# KiCad board B-Sides 2025.kicad_pcb
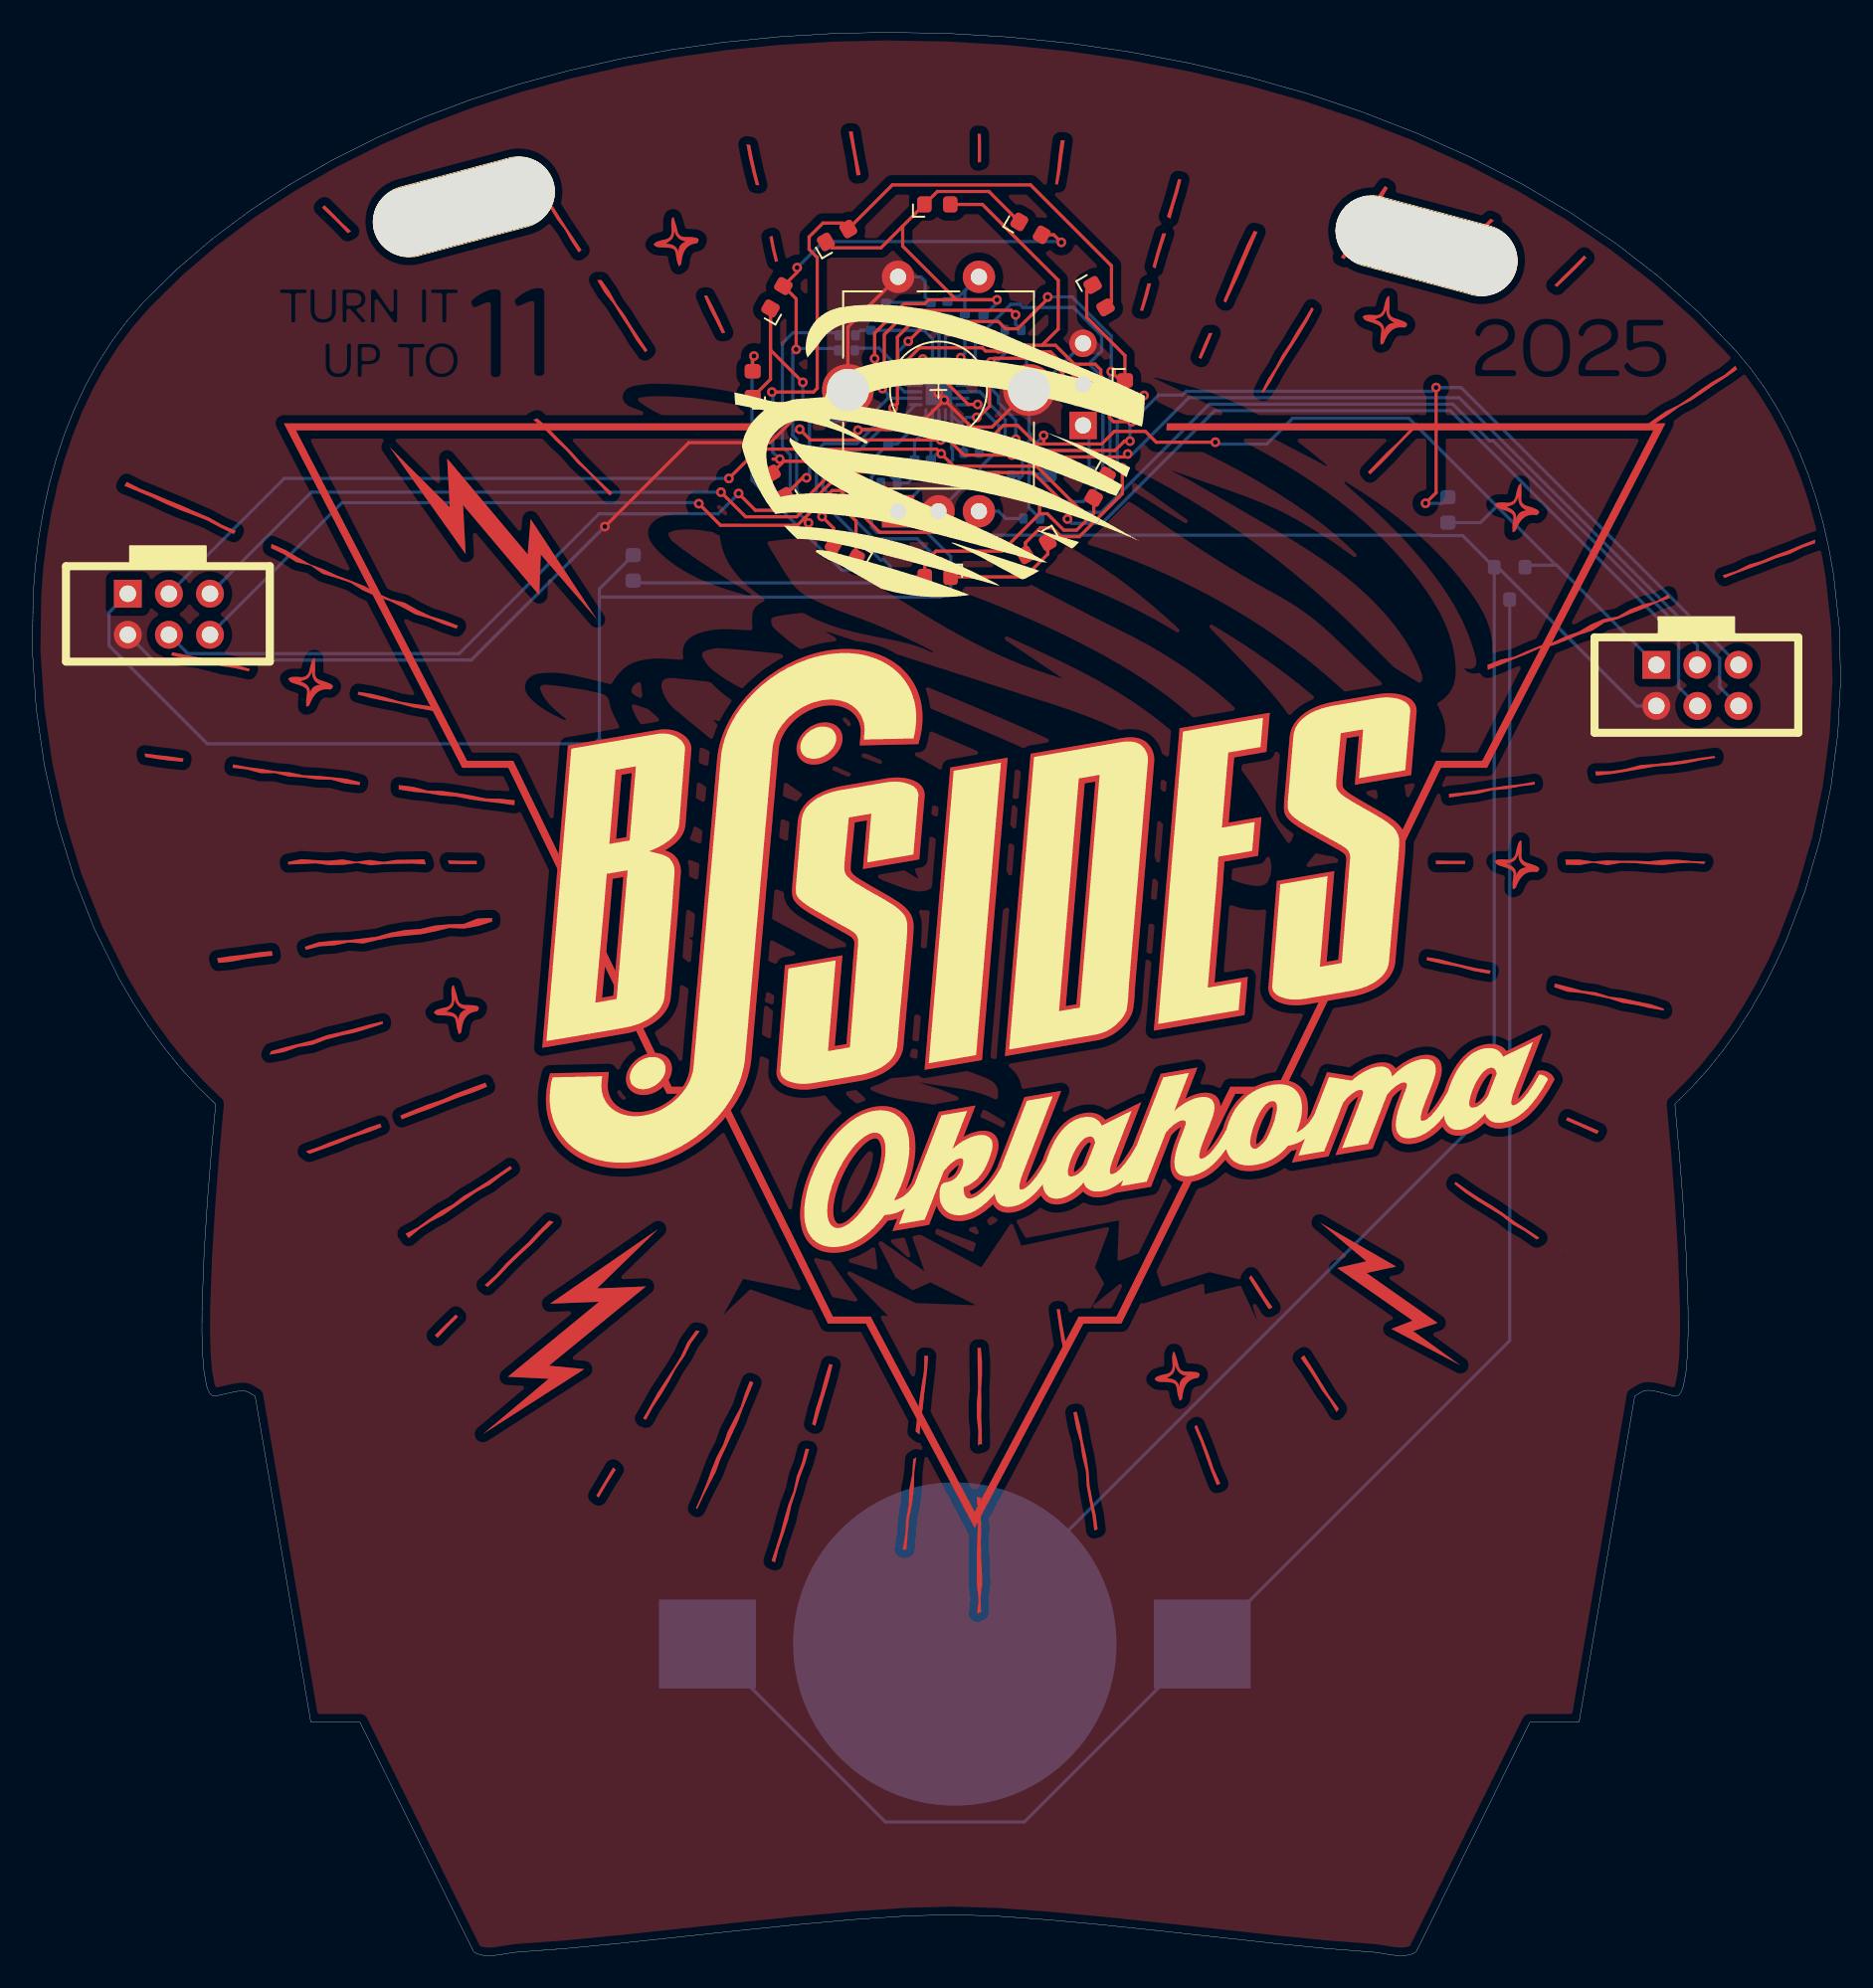
[diagram p0: board, top side]
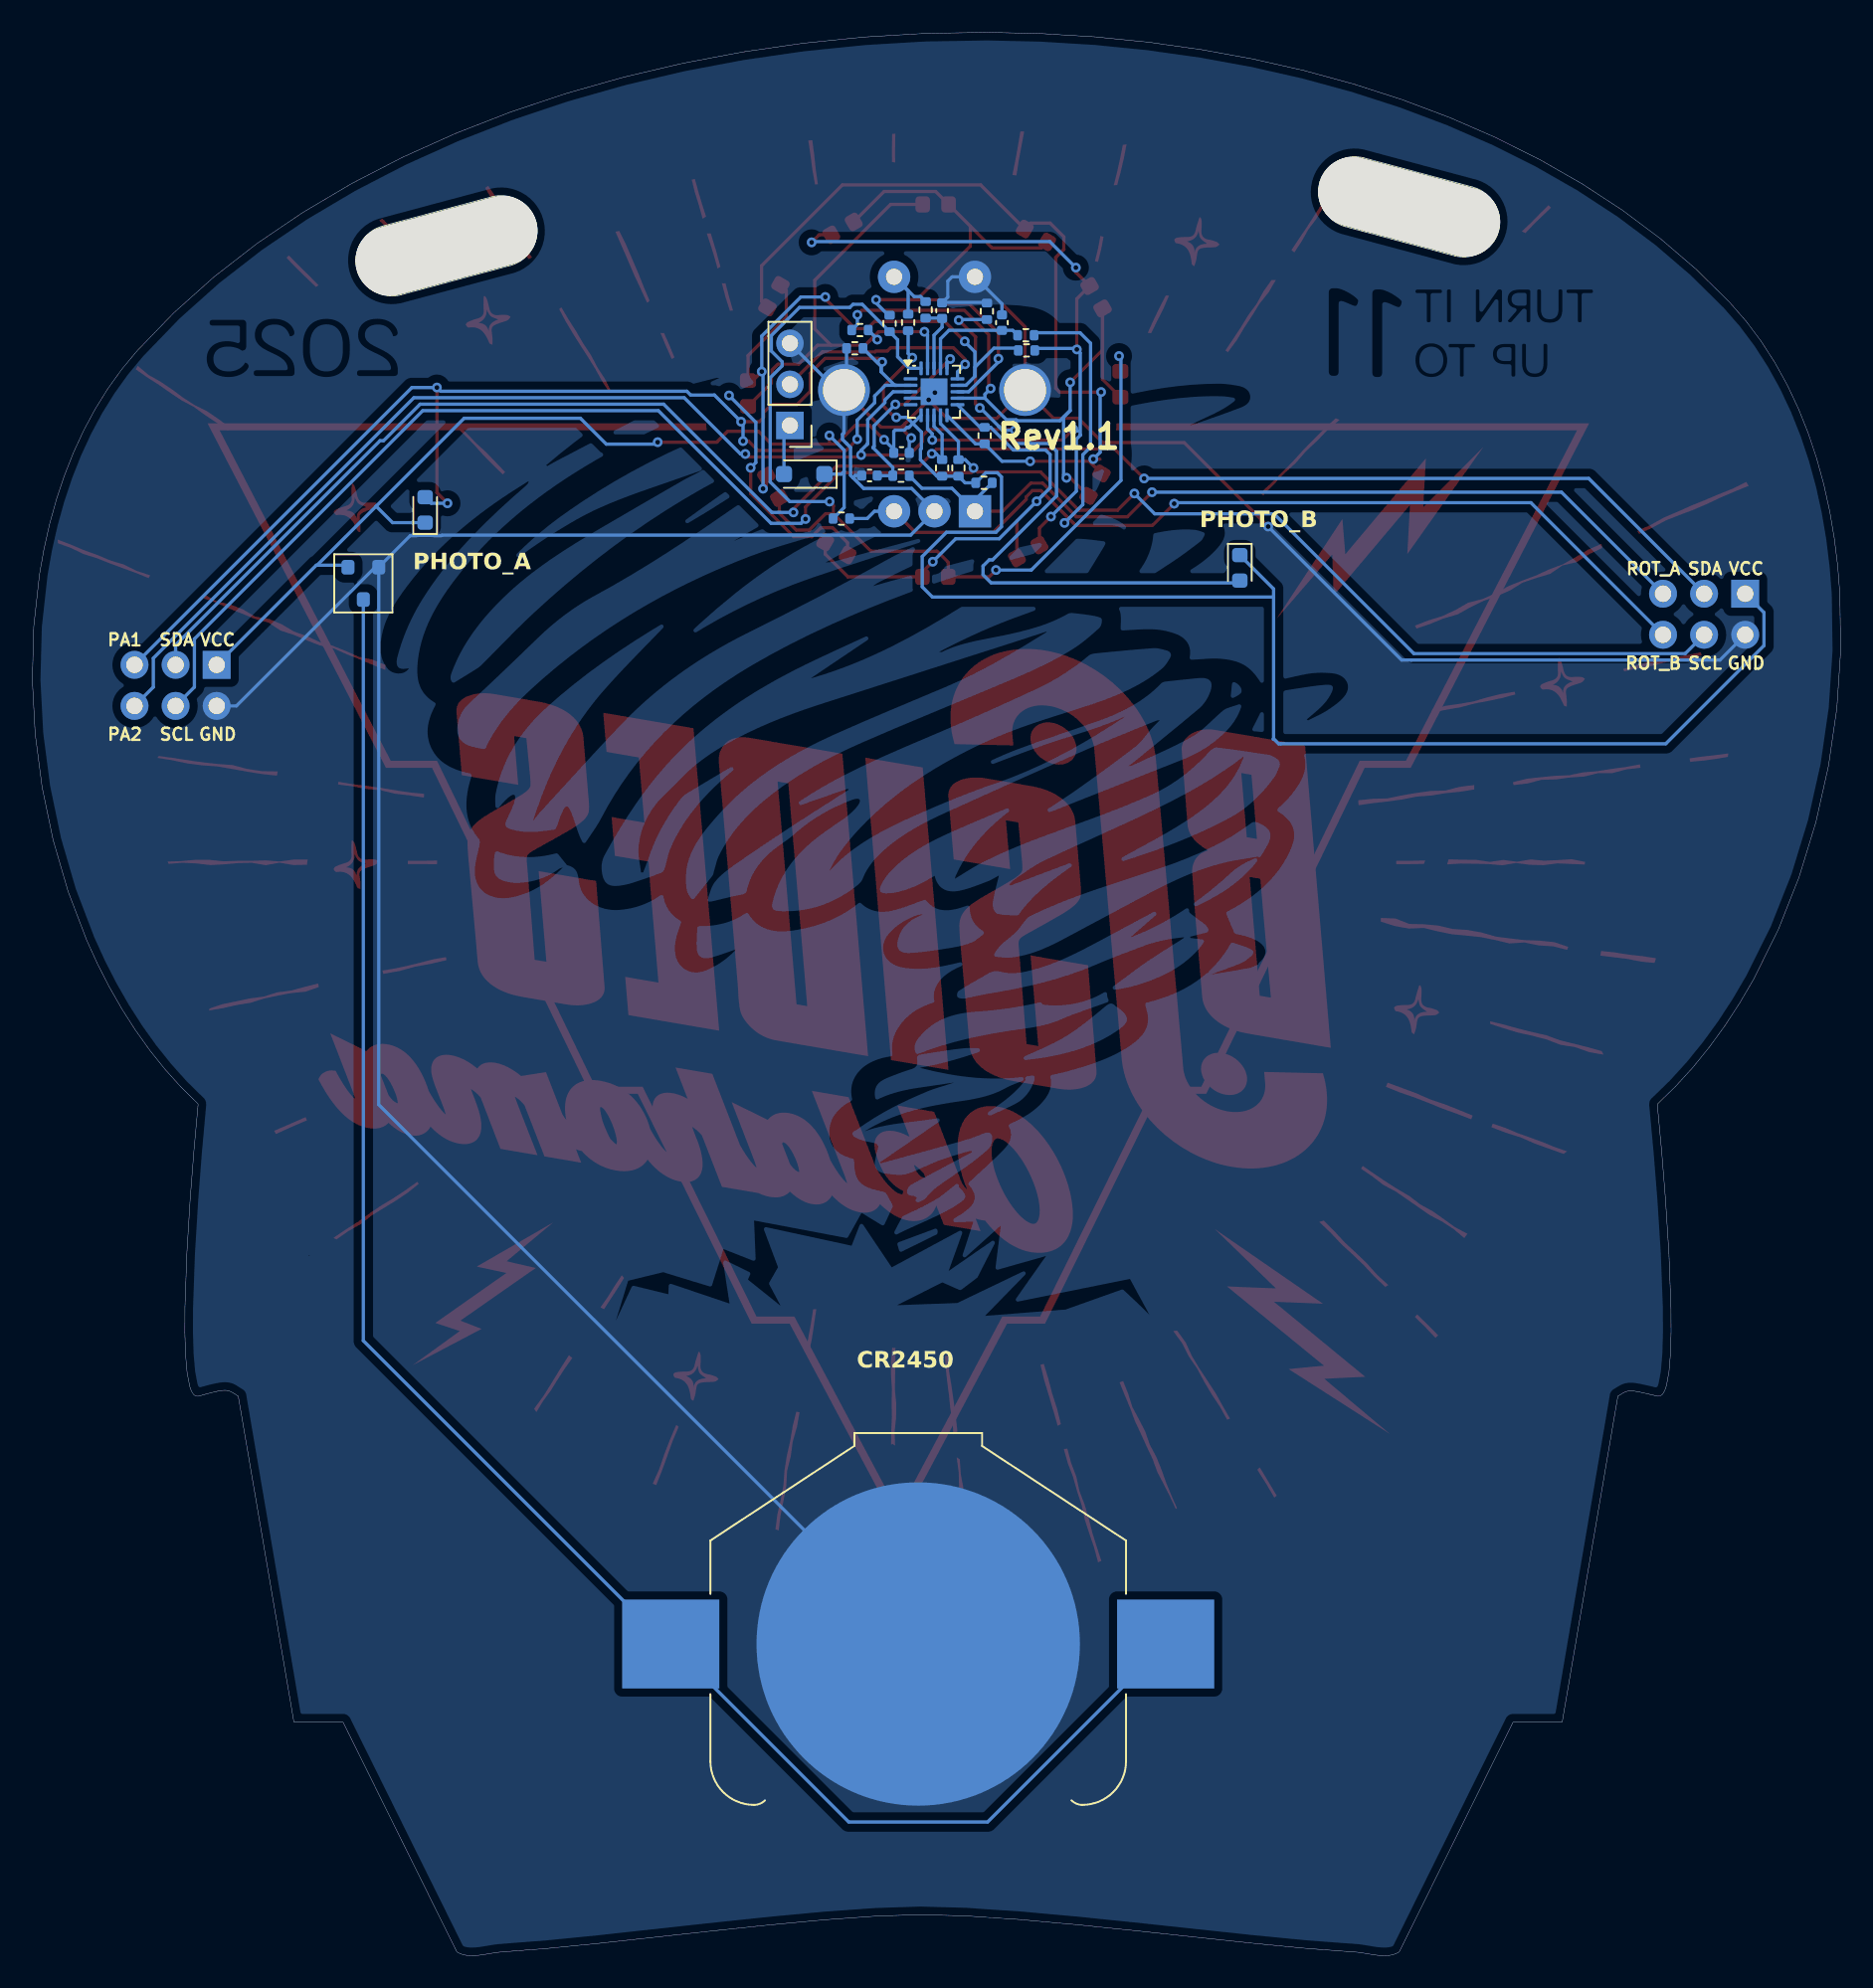
[diagram p1: board, bottom side, seen from below]

Outline 111.82 x 118.97 mm; copper layers: Top, Bottom. Coordinates in mm from the lower left corner of the outline.
Outline path: outline of 198 points within 0,0 111.82,118.97 closed
Stack: Top 0.035mm / dielectric 1.51mm FR4 er 4.5 / Bottom 0.035mm

## Placement (name value [footprint] x y rotation side)
BT1  Battery  [BatteryHolder_Keystone_3008_1x2450]  57.04 19.28 180 bottom
C1  100n  [C_0402_1005Metric]  60.05 91.55 0 bottom
C2  100n  [C_0402_1005Metric]  51.86 101.01 90 bottom
C3  100n  [C_0402_1005Metric]  55.56 101.75 90 bottom
C4  2u  [C_0402_1005Metric]  58.07 92.95 180 bottom
D1  LED  [LED_Kingbright_APA1606_1.6x0.6mm_Horizontal]  62.1 87.04 210 top
D2  LED  [LED_Kingbright_APA1606_1.6x0.6mm_Horizontal]  55.98 85.28 180 top
D3  LED  [LED_Kingbright_APA1606_1.6x0.6mm_Horizontal]  50.24 86.85 150 top
D4  LED  [LED_Kingbright_APA1606_1.6x0.6mm_Horizontal]  46.11 90.99 120 top
D5  LED  [LED_Kingbright_APA1606_1.6x0.6mm_Horizontal]  44.54 97.2 90 top
D6  LED  [LED_Kingbright_APA1606_1.6x0.6mm_Horizontal]  46.04 102.58 60 top
D7  LED  [LED_Kingbright_APA1606_1.6x0.6mm_Horizontal]  49.76 106.4 30 top
D8  LED  [LED_Kingbright_APA1606_1.6x0.6mm_Horizontal]  55.96 108.32 0 top
D9  LED  [LED_Kingbright_APA1606_1.6x0.6mm_Horizontal]  61.72 106.84 330 top
D10  LED  [LED_Kingbright_APA1606_1.6x0.6mm_Horizontal]  65.96 102.65 300 top
D11  LED  [LED_Kingbright_APA1606_1.6x0.6mm_Horizontal]  67.56 96.63 270 top
D12  LED  [LED_Kingbright_APA1606_1.6x0.6mm_Horizontal]  66.03 90.86 240 top
D13  D_Schottky_Small  [D_SOD-323_HandSoldering]  64.09 91.64 0 bottom
H1  MountingHole  [MountingHole_4.3mm_M4_11mm_slot]  86.21 105.76 255 top  (not fitted)
H2  MountingHole  [MountingHole_4.3mm_M4_11mm_slot]  26.68 108.17 105 top  (not fitted)
J1  Conn_01x03_Pin  [PinHeader_1x03_P2.54mm_Vertical]  64.97 94.65 0 bottom  (not fitted)
J2  Conn_02x03_Counter_Clockwise  [Simple_Addon_v2-BADGE-2x3]  102.9 78.59 0 top
J3  Conn_02x03_Counter_Clockwise  [Simple_Addon_v2-BADGE-2x3]  8.38 82.99 0 top
Q1  PT19-21C/L41/TR8  [D_0603_1608Metric]  87.53 89.43 90 bottom
Q2  PT19-21C/L41/TR8  [D_0603_1608Metric]  37.15 85.84 270 bottom
Q3  Si2323DS  [SOT-23]  91.35 84.88 270 bottom
R1  1k  [R_0402_1005Metric]  58.1 91.54 180 bottom
R2  10k  [R_0402_1005Metric]  57.66 101.02 90 bottom
R3  82R  [R_0402_1005Metric]  52.93 94.02 90 bottom
R4  82R  [R_0402_1005Metric]  60.64 100.55 0 bottom
R5  82R  [R_0402_1005Metric]  58.81 100.96 90 bottom
R6  82R  [R_0402_1005Metric]  50.34 99.29 0 bottom
R7  10k  [R_0402_1005Metric]  60.96 99.42 0 bottom
R8  10k  [R_0402_1005Metric]  52.79 101.71 90 bottom
R9  10k  [R_0402_1005Metric]  55.56 92.02 90 bottom
R10  10k  [R_0402_1005Metric]  52.97 91.1 180 bottom
R11  1k  [R_0402_1005Metric]  56.58 101.8 270 bottom
R12  1k  [R_0402_1005Metric]  50.38 100.23 180 bottom
R13  10k  [R_0402_1005Metric]  61.79 88.89 180 bottom
R14  10k  [R_0402_1005Metric]  54.55 92.02 90 bottom
SW1  RotaryEncoder_Switch_MP  [RotaryEncoder_Alps_EC11E-Switch_Vertical_H20mm_CircularMountingHoles]  53.53 89.34 90 top
U2  CH32V003FxUx  [QFN-20-1EP_3x3mm_P0.4mm_EP1.65x1.65mm]  56.06 96.73 180 bottom

## Library data of the parts
BT1 = -: Datasheet: https://www.lcsc.com/datasheet/lcsc_datasheet_2411271947_MYOUNG-MY-2450-01_C964845.pdf; Description: Multiple-cell battery; LCSC: C964845
C1-C3 = -: Description: Unpolarized capacitor, small symbol; LCSC: C1525; ki_fp_filters: C_*
C4 = -: Description: Unpolarized capacitor, small symbol; LCSC: C12530; ki_fp_filters: C_*
D1-D12 = -: Description: LED, generic symbol, Alternate KiCad Library; LCSC: C965862; ki_fp_filters: LED* LED_SMD:* LED_THT:*
D13 = -: Description: Schottky diode, small symbol; LCSC: C146335; ki_fp_filters: TO-???* *_Diode_* *SingleDiode* D_*
H1 H2 = -: Description: Mounting Hole without connection; ki_fp_filters: MountingHole*
J1 = -: Description: Generic connector, single row, 01x03, script generated; ki_fp_filters: Connector*:*_1x??_*
J2 J3 = -: LCSC: C92272
Q1 Q2 = -: Datasheet: https://www.kingbright.com/attachments/file/psearch/000/00/00/KPS-3227SP1C(Ver.16).pdf; Description: Ambient light NPN phototransistor, KPS-3227; LCSC: C20416370; ki_fp_filters: Kingbright*KPS?3227*
Q3 = -: Datasheet: https://www.tme.eu/Document/d8e01dd5bf2cb7c72a3df62d79c95bb8/SI2323DS-T1-E3.pdf; Description: SOT-23 P-MOSFET enchancement mode transistor, 20V, 3.7A, 0.75W, Alternate KiCAD Library; LCSC: C347476
R1 R11 R12 = -: Description: Resistor, small symbol; LCSC: C106235; ki_fp_filters: R_*
R2 R7-R10 R13 R14 = -: Description: Resistor, small symbol; LCSC: C60490; ki_fp_filters: R_*
R3-R6 = -: Description: Resistor, small symbol; LCSC: C25136; ki_fp_filters: R_*
SW1 = -: Description: Rotary encoder, dual channel, incremental quadrate outputs, with switch and MP Pin; LCSC: C470742; ki_fp_filters: RotaryEncoder*Switch*
U2 = -: Datasheet: https://www.wch-ic.com/products/CH32V003.html; Description: CH32V003 series are industrial-grade general-purpose microcontrollers designed based on 32-bit RISC-V instruction set and architecture. It adopts QingKe V2A core, RV32EC instruction set, and supports 2 levels of interrupt nesting. The series are mounted with rich peripheral interfaces and function modules. Its internal organizational structure meets the low-cost and low-power embedded application scenarios.; LCSC: C5299908; ki_fp_filters: QFN*1EP*3x3mm*P0.4mm*EP1.65x1.65mm*

## Footprints (pads in the part's own frame, mm; a bottom-side part is the same pattern mirrored in y, then rotated)
BatteryHolder_Keystone_3008_1x2450
  rect 6x5.5 smd: 1(-15.3,0) 1(15.3,0)
  round 20 smd: 2(0,0)
C_0402_1005Metric
  rrect 0.56x0.62 smd: 1(-0.48,0) 2(0.48,0)
D_0603_1608Metric
  rrect 0.875x0.95 smd: 1(-0.787,0) 2(0.787,0)
D_SOD-323_HandSoldering
  rrect 1x1 smd: 1(-1.25,0) 2(1.25,0)
LED_Kingbright_APA1606_1.6x0.6mm_Horizontal
  rrect 0.9x1 smd: 1(-0.8,0) 2(0.8,0)
MountingHole_4.3mm_M4_11mm_slot
  oval 4.3x11.5 hole 4.3x11.5 unplated: (0,0)
PinHeader_1x03_P2.54mm_Vertical
  rect 1.7x1.7 hole 1: 1(0,0)
  oval 1.7x1.7 hole 1: 2(0,-2.54) 3(0,-5.08)
QFN-20-1EP_3x3mm_P0.4mm_EP1.65x1.65mm
  rrect 0.67x0.67 smd: (-0.41,-0.41) (-0.41,0.41) (0.41,-0.41) (0.41,0.41)
  rrect 0.85x0.2 smd: 1(-1.45,0.8) 2(-1.45,0.4) 3(-1.45,0) 4(-1.45,-0.4) 5(-1.45,-0.8) 11(1.45,-0.8) 12(1.45,-0.4) 13(1.45,0) 14(1.45,0.4) 15(1.45,0.8)
  rrect 0.2x0.85 smd: 6(-0.8,-1.45) 7(-0.4,-1.45) 8(0,-1.45) 9(0.4,-1.45) 10(0.8,-1.45) 16(0.8,1.45) 17(0.4,1.45) 18(0,1.45) 19(-0.4,1.45) 20(-0.8,1.45)
  rect 1.65x1.65 smd: 21(0,0)
R_0402_1005Metric
  rrect 0.54x0.64 smd: 1(-0.51,0) 2(0.51,0)
RotaryEncoder_Alps_EC11E-Switch_Vertical_H20mm_CircularMountingHoles
  rect 2x2 hole 1: A(0,0)
  round 2 hole 1: B(0,-5) C(0,-2.5) S1(14.5,-5) S2(14.5,0)
  round 3.2 hole 2.6: MP(7.5,3.1) MP(7.5,-8.1)
Simple_Addon_v2-BADGE-2x3
  rect 1.727x1.727 hole 1.016: 1(-2.48,1.25)
  round 1.727 hole 1.016: 2(-2.48,-1.29) 5(2.6,1.25) 6(2.6,-1.29)
  oval 1.727x1.727 hole 1.016: 3(0.06,1.25) 4(0.06,-1.29)
SOT-23
  rrect 0.9x0.8 smd: 1(-1,0.95) 2(-1,-0.95) 3(1,0)

## Nets
GND: BT1.2 C1.2 C2.2 C3.2 C4.2 J1.3 J2.2 J3.2 Q3.1 R7.2 R8.2 SW1.C SW1.MP SW1.S2 U2.4 U2.21
VDD: C4.1 D13.1 J2.1 J3.1 Q1.1 Q2.1 Q3.2 R2.1 R9.1 R10.1 R13.1 R14.1 U2.6
/DIO: J1.2 U2.15
/GPIO_BUTTON: C3.1 R11.2 U2.18
/GPIO_PHOTO_A: J2.5 Q1.2 R7.1 U2.2
/GPIO_PHOTO_B: J2.6 Q2.2 R8.1 U2.3
/GPIO_ROT_A: C1.1 R1.1 U2.16
/GPIO_ROT_B: C2.1 R12.1 U2.17
/GPIO_X1: D1.1 D2.1 D3.1 R3.2 U2.11
/GPIO_X2: D4.1 D5.1 D6.1 R4.2 U2.12
/GPIO_X3: D7.1 D8.1 D9.1 R5.2 U2.13
/GPIO_X4: D10.1 D11.1 D12.1 R6.2 U2.14
/GPIO_Y1: D4.2 D7.2 D10.2 R3.1 U2.10
/GPIO_Y2: D1.2 D8.2 D11.2 R4.1 U2.19
/GPIO_Y3: D2.2 D5.2 D12.2 R5.1 U2.20
/GPIO_Y4: D3.2 D6.2 D9.2 R6.1 U2.7
/ROT_A: J3.5 R1.2 R10.2 SW1.A
/ROT_B: J3.6 R12.2 R13.2 SW1.B
/SCL: J2.4 J3.4 R14.2 U2.9
/SDA: J2.3 J3.3 R9.2 U2.8
Net-(BT1-+): BT1.1 Q3.3
Net-(D13-A): D13.2 J1.1
Net-(R11-Pad1): R2.2 R11.1 SW1.S1

Pads without a net: U2 1 5

## Via types
v1: diameter 0.6, hole 0.3, Top to Bottom, 60 vias

## Routing (per net, layer and track width the routed paths; a pad name or vN(x,y) marks a point on that pad's centre or on a via; arc(x,y) is an arc through that point)
GND: length 235.4
  Top w0.2: v1(35.4,88.4) 40.59,93.59 45.62,93.59 47.13,95.1 48.69,95.1 SW1.MP ; v1(57.47,93.87) 57.88,94.28 57.88,94.75 ; SW1.S2 50.43,100.74 SW1.MP ; SW1.MP 52.18,95.09 55.25,95.09 v1(56.39,96.23) 57.88,94.75 ; 57.88,94.75 58.08,94.55 59.34,94.55 SW1.MP
  Bottom w0.2: C3.2 55.21,102.59 55.21,103.58 54.95,103.84 SW1.S2 51.86,102.17 C2.2 ; SW1.MP 61.47,97 R7.2 ; SW1.MP 61.63,94.2 61.72,94.11 61.72,93.79 61.22,93.29 61.22,91.57 61.08,91.42 ; SW1.MP 62.08,96.84 J1.3 ; J3.2 7.47,80.14 27.15,80.14 v1(35.4,88.4) ; C1.2 60.94,91.55 61.08,91.42 ; C4.2 57.59,93.75 v1(57.47,93.87) 57.47,93.79 ; Q3.1 90.62,85.88 99.2,77.3 J2.2 ; Q3.1 88.45,87.84 86.52,87.84 86.49,87.87 57.51,87.87 SW1.C 57.44,90.75 60.41,90.75 61.08,91.42 ; Q3.1 90.4,52.64 BT1.2 ; 52.83,102.26 55.19,102.26 ; U2.4 56.49,96.33
  vias: v1(56.01,96.68)
VDD: length 164.9
  Top w0.2: v1(57.41,98.84) 59.19,97.06 59.19,95.85 58.5,95.15 v1(58.4,95.15) ; v1(73.15,93.62) 69.5,93.62 68.83,94.28 66.9,94.28 66.12,93.5 62.08,93.5 60.93,94.65 60.04,94.65 v1(59.15,93.77) ; v1(62.53,94.03) 62.53,93.6
  Bottom w0.2: R2.1 57.66,99.1 v1(57.41,98.84) ; Q2.1 35.06,84.54 35.06,84.04 ; Q1.1 89.55,88.64 90.56,89.66 ; R13.1 61.62,89.57 61.62,91.81 ; 90.56,89.66 94.21,86.01 ; 90.56,89.66 85.12,95.1 77.93,95.1 76.33,93.5 73.27,93.5 v1(73.15,93.62) ; 94.21,86.01 94.27,86.01 100.42,79.85 J2.1 ; 94.21,86.01 92.43,86.01 Q3.2 ; 35.06,84.04 56.16,84.04 56.79,84.67 56.79,86.55 55.3,88.04 52.23,88.04 51.89,88.38 51.89,91.47 52.15,91.72 52.86,91.72 R10.1 54.14,91.1 R14.1 R9.1 55.88,91.51 56.9,92.53 56.9,93.16 56.84,93.22 56.84,94.24 57.37,94.77 ; 35.06,84.04 35.06,75.27 ; 57.37,94.77 57.62,94.52 57.74,94.52 57.9,94.36 58.46,94.36 58.55,94.27 C4.1 58.55,93.17 v1(59.15,93.77) ; 57.37,94.77 57.75,95.15 v1(58.4,95.15) ; 57.37,94.77 U2.6 ; J3.1 4.74,83.08 4.74,81.04 10.82,74.96 34.75,74.96 35.06,75.27 ; D13.1 61.79,91.64 61.62,91.81 ; 61.62,91.81 61.62,93.12 v1(62.53,94.03) ; 35.1,75.24 35.06,75.27
/DIO: length 13.5
  Top w0.2: v1(54.14,98.43) 54.14,98.73 54.87,99.46 58.75,99.46 58.95,99.25 59.65,99.25 59.7,99.2 62.96,99.2 J1.2
  Bottom w0.2: U2.15 54.61,97.96 v1(54.14,98.43)
/GPIO_BUTTON: length 4.3
  Bottom w0.2: R11.2 55.58,101.29 ; U2.18 56.06,100.23 55.56,100.73 C3.1
/GPIO_PHOTO_A: length 84.1
  Top w0.2: v1(86.15,89.84) 86.8,90.49 v1(86.8,97) ; v1(59.27,98.58) 59.49,98.8 62.8,98.8 63.72,97.88 63.72,96.75 64.52,95.95 66.1,95.95 66.6,95.45 66.6,95.15 66.87,94.88 v1(67.99,94.88) ; v1(67.87,93.68) 67.53,93.68 66.95,93.1 61.51,93.1 v1(60.82,93.8)
  Bottom w0.2: U2.2 58.4,97.13 ; 58.4,97.13 58.49,97.13 59.33,97.97 ; 58.4,97.13 59.07,97.13 59.73,96.47 59.73,96.06 60.82,94.98 v1(60.82,93.8) ; R7.1 59.33,98.3 59.33,97.97 ; v1(59.27,98.58) 59.33,98.52 59.33,97.97 ; v1(86.15,89.84) 87.16,89.84 Q1.2 ; J2.5 88.35,97 v1(86.8,97) 86.57,96.77 71.35,96.77 71.11,96.53 69.64,96.53 v1(67.99,94.88) 67.87,94.76 v1(67.87,93.68) 67.94,93.68
/GPIO_PHOTO_B: length 111.9
  Top w0.2: v1(54.53,101.16) 53.5,100.13 53.5,96 v1(53.23,95.73) ; v1(51.05,94.36) 51.1,94.4 56.39,94.4 56.77,94.02 56.77,93.66 57.61,92.82 v1(60.57,92.82) 60.69,92.7 67.55,92.7 v1(67.73,92.89)
  Bottom w0.2: R8.1 54.49,101.2 v1(54.53,101.16) ; U2.3 58.59,96.73 59.1,96.22 59.1,96.06 60.17,95 60.17,93.53 60.2,93.49 60.2,93.48 60.57,93.11 v1(60.57,92.82) ; 52.06,94.6 51.82,94.36 v1(51.05,94.36) ; 52.06,94.6 51,93.53 48.96,93.53 48.49,93.06 48.49,90.29 52.44,86.34 52.65,86.34 53.03,85.96 53.03,85.42 52.53,84.91 37.3,84.91 ; 52.06,94.6 53.2,95.73 v1(53.23,95.73) ; J2.6 104.34,78.47 104.34,80.25 88.23,96.37 71.51,96.37 68.03,92.89 v1(67.73,92.89)
/GPIO_ROT_A: length 11.7
  Top w0.2: v1(58.45,95.95) 57.87,95.95 v1(55.06,98.76)
  Bottom w0.2: v1(58.45,95.95) 59.77,94.64 59.77,93.36 59.84,93.29 59.84,93.28 58.61,92.05 R1.1 59.56,91.54 C1.1 ; U2.16 55.26,98.56 v1(55.06,98.76)
/GPIO_ROT_B: length 6.9
  Bottom w0.2: R12.1 51.19,100.53 55.14,100.53 55.66,100.01 U2.17
/GPIO_X1: length 31.3
  Top w0.2: D3.1 50.93,88.74 v1(49.72,89.96) ; D1.1 62.79,86.69 61.38,85.28 D2.1 56.78,85.58 v1(56.14,86.22)
  Bottom w0.2: 49.34,90.33 48.89,90.79 48.89,92.85 49.17,93.13 51.16,93.13 52.56,94.53 R3.2 53.21,94.53 U2.11 ; 49.34,90.33 52.03,87.64 54.72,87.64 v1(56.14,86.22) ; 49.34,90.33 v1(49.72,89.96)
/GPIO_X2: length 41.2
  Top w0.2: v1(47.87,91.41) 47.63,91.41 D4.1 ; v1(47.65,97.32) 45.64,99.32 D6.1 45.64,97.5 D5.1 ; v1(52.56,96.93) 52.68,97.05 52.68,100.27 54.18,101.77 60.52,101.77 v1(60.8,101.49)
  Bottom w0.2: 47.65,95.57 48.28,94.94 50.93,94.94 50.98,95 51.58,95 52.91,96.33 ; 47.65,95.57 v1(47.65,97.32) ; 47.65,95.57 48.05,95.17 48.05,91.59 v1(47.87,91.41) ; 52.91,96.33 52.91,96.58 v1(52.56,96.93) ; 52.91,96.33 U2.12 ; R4.2 60.8,100.9 v1(60.8,101.49)
/GPIO_X3: length 37.5
  Top w0.2: 53.82,106.98 53.82,105.74 57.14,102.42 v1(59.65,102.42) 55.43,102.42 55.18,102.17 53.89,102.17 52.08,100.36 v1(52.08,98.78) ; 53.82,106.98 D8.1 55.96,109.12 59.15,109.12 D9.1 ; 53.82,106.98 52.48,105.64 49.43,105.64 D7.1
  Bottom w0.2: v1(52.08,98.78) 52.08,98.58 53.93,96.73 U2.13 ; 58.89,101.47 59.65,102.23 v1(59.65,102.42)
/GPIO_X4: length 41.1
  Top w0.2: D12.1 66.43,90.94 v1(66.64,90.74) ; v1(62.79,102.6) 62.79,102.49 60.93,100.63 60.18,100.63 59.73,101.08 55.39,101.08 v1(54.16,99.85) ; D10.1 65.2,102.97 65.2,101.34 67.56,98.97 D11.1 67.27,97.43 v1(66.72,97.98)
  Bottom w0.2: 53.54,97.77 53.54,99.21 54.16,99.83 v1(54.16,99.85) ; 53.54,97.77 53.54,97.69 54.09,97.13 U2.14 ; 53.54,97.77 53.54,98.25 52.35,99.43 50.99,99.43 R6.2 ; v1(66.64,90.74) 66.64,97.9 v1(66.72,97.98) 66.72,100.18 64.3,102.6 v1(62.79,102.6)
/GPIO_Y1: length 53.4
  Top w0.2: v1(50.12,92.44) 46.47,92.44 D4.2 ; 45.8,92.57 v1(46.21,92.57) ; v1(45.73,96.72) 48.3,96.72 48.53,96.95 48.53,105.04 48.03,105.54 48.03,106.32 48.89,107.17 50.09,107.17 D7.2 53.18,109.53 61.72,109.53 66.73,104.53 66.73,102.32 D10.2
  Bottom w0.2: v1(50.12,92.44) 51.86,92.44 R3.1 53.49,93.51 U2.10 ; v1(45.73,96.72) 45.79,96.66 45.79,92.99 v1(46.21,92.57)
/GPIO_Y2: length 46.9
  Top w0.2: D1.2 61.41,87.4 62.33,88.32 63.07,88.32 63.62,87.77 64.74,87.77 67.4,90.44 v1(67.4,92.03) ; v1(59.57,99.96) 59.97,99.96 60.1,99.83 ; 62.43,99.61 60.32,99.61 60.1,99.83 ; 62.43,99.61 63.44,100.62 63.44,103.63 58.75,108.32 D8.2 ; 62.43,99.61 63.26,99.61 64.43,98.44 65.71,98.44 66.07,98.09 66.07,97.73 66.12,97.67 66.12,97.27 D11.2 ; 60.1,99.83 59.49,100.45 v1(56.66,100.45) ; D11.2 68.07,95.83 v1(68.74,96.51) ; D11.2 67.49,95.83
  Bottom w0.2: R4.1 59.57,99.99 v1(59.57,99.96) ; U2.19 56.46,100.25 v1(56.66,100.45) ; v1(67.4,92.03) 67.08,92.35 67.08,94.85 v1(68.74,96.51)
/GPIO_Y3: length 63.2
  Top w0.2: D12.2 65.63,89.23 64.58,88.17 63.78,88.17 62.76,89.19 62.29,89.19 ; v1(62.52,89.94) 62.29,89.71 62.29,89.19 ; v1(52.23,85.71) 52.66,85.28 D2.2 55.18,86.18 55.87,86.87 59.97,86.87 62.29,89.19 ; D5.2 44.54,98.86 v1(44.62,98.94)
  Bottom w0.2: v1(44.62,98.94) 44.5,98.82 44.5,91.25 50.05,85.71 v1(52.23,85.71) ; U2.20 57.6,98.18 58.31,98.9 58.31,99.95 R5.1 60.5,102.14 61.07,102.14 61.27,101.95 64.39,101.95 66.12,100.21 66.12,99.26 65.45,98.58 65.45,98.34 66.19,97.6 66.19,91.15 64.99,89.94 v1(62.52,89.94)
/GPIO_Y4: length 50.9
  Top w0.2: v1(56.17,93.75) 48.12,93.75 v1(47.45,94.42) ; v1(48.83,89.01) 49.55,88.3 D3.2 ; D9.2 63.17,106.44 v1(63.63,105.98) ; v1(47.23,99.35) 47.23,102.48 D6.2 47.29,104.12 v1(47.29,104.41)
  Bottom w0.2: 49.71,99.41 47.29,99.41 v1(47.23,99.35) 47.02,99.14 47.02,94.09 47,94.06 47.26,93.8 47.26,90.58 v1(48.83,89.01) ; v1(63.63,105.98) 63.59,106.02 48.9,106.02 v1(47.29,104.41) ; v1(47.45,94.42) 47.34,94.31 47.15,94.31 ; U2.7 56.46,94.43 56.17,94.14 v1(56.17,93.75)
/ROT_A: length 54.5
  Top w0.2: v1(42.58,90.52) 44.1,89 47.27,89 49.35,91.08 50.08,91.08 51.82,89.34 SW1.A
  Bottom w0.2: J3.5 17.26,90.52 v1(42.58,90.52) ; R1.2 56.81,90.76 54.95,90.76 SW1.A 53.53,90.03 R10.2
/ROT_B: length 73.1
  Top w0.2: 47.78,88.95 47.99,88.73 v1(47.99,88.62) ; 47.78,88.95 49.45,90.62 49.97,90.62 50.37,90.23 50.37,90.08 52.4,88.04 57.23,88.04 SW1.B ; 47.78,88.95 47.31,88.47 42.55,88.47 v1(41.21,89.81)
  Bottom w0.2: J3.6 19.15,89.87 41.15,89.87 v1(41.21,89.81) ; R13.2 60.19,88.89 59.74,89.34 SW1.B ; R12.2 49.72,100.39 47.03,100.39 46.38,99.74 46.38,93.32 46.86,92.84 46.86,89.75 v1(47.99,88.62)
/SCL: length 119.2
  Top w0.2: 53.47,92.02 53.76,91.73 61.89,91.73 64.01,89.62 v1(64.01,88.87) ; v1(43.67,90.44) 44.71,89.4 47.1,89.4 49.47,91.77 53.37,91.77 v1(53.62,92.02)
  Bottom w0.2: J3.4 9.61,80.54 26.39,80.54 35.04,89.19 42.42,89.19 v1(43.67,90.44) ; v1(64.01,88.87) 64.28,88.6 66.14,88.6 73.11,95.57 87.68,95.57 101.8,81.45 101.8,78.47 J2.4 ; U2.9 55.66,94.76 54.55,93.65 R14.2 54.13,92.53 v1(53.62,92.02)
/SDA: length 113.9
  Top w0.2: v1(43.07,91.37) 44.89,93.19 55.92,93.19 v1(56.2,92.9) 56.97,92.13 62.1,92.13 64.76,89.48 v1(64.76,89.27)
  Bottom w0.2: U2.8 56.06,94.6 55.56,94.1 R9.2 55.93,92.9 v1(56.2,92.9) ; J3.3 15.57,91.37 v1(43.07,91.37) ; v1(64.76,89.27) 66.09,89.27 72.78,95.97 87.85,95.97 90.11,93.71 90.32,93.71 102.96,81.07 J2.3
Net-(BT1-+): length 112.3
  Bottom w0.2: BT1.1 52.75,8.27 61.33,8.27 BT1.1 72.59,19.28 91.35,38.04 Q3.3
Net-(D13-A): length 3.2
  Bottom w0.2: J1.1 65.34,94.28 D13.2
Net-(R11-Pad1): length 5.2
  Bottom w0.2: SW1.S1 57.66,102.97 R2.2 ; R11.1 56.89,102.62 57.29,102.62 58.51,103.84

## Copper pours and planes (outline as drawn; the poured copper is in the pictures)
GND on Top, Bottom: -12.91,123.9 110.83,137.52 139.87,-5.67 0.14,-10.13
/GPIO_PHOTO_A on Top (solid shape): 63.54,39.98 63.68,39.06 63.85,38.15 64,37.23 63.82,37.2 63.62,38.12 63.48,39.06 63.34,39.99
/GPIO_PHOTO_A on Top (solid shape): 87.04,61.63 87.82,61.42 88.6,61.23 89.38,61.06 90.18,60.93 90.12,60.73 89.13,60.9 88.17,61.17 87.19,61.35 86.22,61.57 86.25,61.76
/GPIO_PHOTO_A on Top (solid shape): 85.68,94.63 85.08,94.04 84.49,93.44 83.92,92.81 83.33,92.21 82.72,91.62 82.59,91.77 83.18,92.39 83.78,93.01 84.42,93.59 85.01,94.22 85.61,94.83
/GPIO_PHOTO_A on Top (solid shape): 55.39,37.1 55.34,36.28 55.24,35.47 55.14,34.66 55.06,33.85 54.92,33.05 54.87,32.23 54.62,32.42 54.72,33.37 54.85,34.3 54.98,35.24 55.14,36.17 55.16,37.12
/GPIO_PHOTO_A on Top (solid shape): 21.02,78.04 21.87,77.83 22.71,77.58 23.57,77.43 24.44,77.31 25.27,77.05 25.22,76.9 24.37,77.07 23.51,77.22 22.67,77.44 21.81,77.61 20.96,77.79 20.12,78.01 20.16,78.18
/GPIO_PHOTO_A on Top (solid shape): 31.91,94.47 32.57,93.8 33.23,93.13 33.86,92.44 34.51,91.77 35.18,91.12 35.86,90.48 35.8,90.4 35.71,90.31 35.05,91 34.39,91.69 33.69,92.33 33.07,93.05 32.38,93.7 31.72,94.38 30.98,95 31.22,95.1
/GPIO_PHOTO_A on Top (solid shape): 23.56,72.3 24.44,72.07 25.35,72.04 26.25,71.92 27.14,71.77 28.02,71.58 28.93,71.56 29.83,71.47 29.81,71.16 28.91,71.29 28.01,71.39 27.12,71.51 26.24,71.69 25.34,71.76 24.45,71.9 23.55,71.99 22.66,72.13 22.66,72.41
/GPIO_PHOTO_A on Top (solid shape): 58.67,28.32 58.61,27.43 58.68,26.55 58.65,25.67 58.67,24.79 58.71,23.91 58.74,23.03 58.63,22.15 58.66,21.27 58.42,21.15 58.52,22.05 58.41,22.96 58.41,23.86 58.4,24.77 58.43,25.67 58.47,26.57 58.46,27.48 58.4,28.38
/GPIO_PHOTO_A on Top (solid shape): 105.43,98.13 104.73,97.63 104.01,97.17 103.31,96.68 102.6,96.21 101.84,95.8 101.15,95.3 100.44,94.83 99.73,94.34 99.63,94.53 100.31,95.05 101.02,95.53 101.79,95.91 102.5,96.38 103.19,96.88 103.89,97.36 104.64,97.78 105.31,98.34
/GPIO_PHOTO_A on Top (solid shape): 15.63,86.96 16.4,86.5 17.19,86.06 18.03,85.75 18.85,85.37 19.69,85.05 20.53,84.72 21.31,84.28 22.13,83.92 23.02,83.69 23.8,83.24 24.62,82.86 25.48,82.6 26.33,82.26 26.22,82.09 25.38,82.37 24.55,82.71 23.68,82.96 22.9,83.4 22.1,83.8 21.25,84.09 20.43,84.45 19.67,84.93 18.82,85.21 17.96,85.47 17.21,85.99 16.32,86.2 15.56,86.68 14.76,87.07 14.79,87.33
/GPIO_PHOTO_A on Top (solid shape): 101.25,83.97 100.44,83.68 99.65,83.32 98.84,83.01 98.05,82.68 97.21,82.45 96.47,81.96 95.65,81.7 94.85,81.36 94.05,81.05 93.19,80.86 92.4,80.51 91.6,80.19 90.8,79.85 90,79.53 89.98,79.84 90.79,80.16 91.64,80.35 92.42,80.7 93.22,81.02 94.05,81.25 94.83,81.62 95.64,81.9 96.39,82.35 97.18,82.68 98.04,82.83 98.79,83.27 99.59,83.59 100.43,83.78 101.2,84.21
/GPIO_PHOTO_A on Top (solid shape): 89.96,73.47 87.11,73.47 77.32,53.32 74.39,53.32 67.34,39.1 65,39.1 58.27,26.46 51.55,39.1 49.2,39.1 42.16,53.32 39.23,53.32 29.44,73.47 26.59,73.47 15.55,94.78 44.78,94.78 44.78,94.67 44.79,94.56 44.8,94.46 44.81,94.35 16.3,94.35 26.89,73.91 29.74,73.91 39.53,53.75 42.46,53.75 49.5,39.53 51.84,39.53 58.27,27.45 64.7,39.53 67.04,39.53 74.08,53.75 77.01,53.75 86.8,73.91 89.66,73.91 100.24,94.35 70.12,94.35 70.13,94.46 70.14,94.56 70.15,94.67 70.16,94.78 100.99,94.78
/GPIO_PHOTO_A on Top (solid shape): outline of 116 points within 36.71,53.24 39.55,55.85
/GPIO_PHOTO_A on Top (solid shape): outline of 116 points within 47.26,73.67 50.1,76.28
/GPIO_PHOTO_A on Top (solid shape): outline of 114 points within 31.53,56.16 40.76,75.85
/GPIO_PHOTO_A on Top (solid shape): outline of 256 points within 31.76,48.69 55.05,80.83
/GPIO_PHOTO_A on Top (solid shape): outline of 197 points within 46.02,53.57 55.18,72.88
/GPIO_PHOTO_A on Top (solid shape): outline of 197 points within 76.43,58.78 85.6,78.09
/GPIO_PHOTO_A on Top (solid shape): outline of 1181 points within 47.48,43.47 94.13,57.05

Small or netless copper shapes (teardrops, artwork), in the pictures only: 66 on Top

## Text on the board
B.Silkscreen: Rev1.1 | PHOTO_B | CR2450 | PHOTO_A
